# Altium PCB Audio-Streamer-Mainboard.PcbDoc (part 2 of 7) (continued)
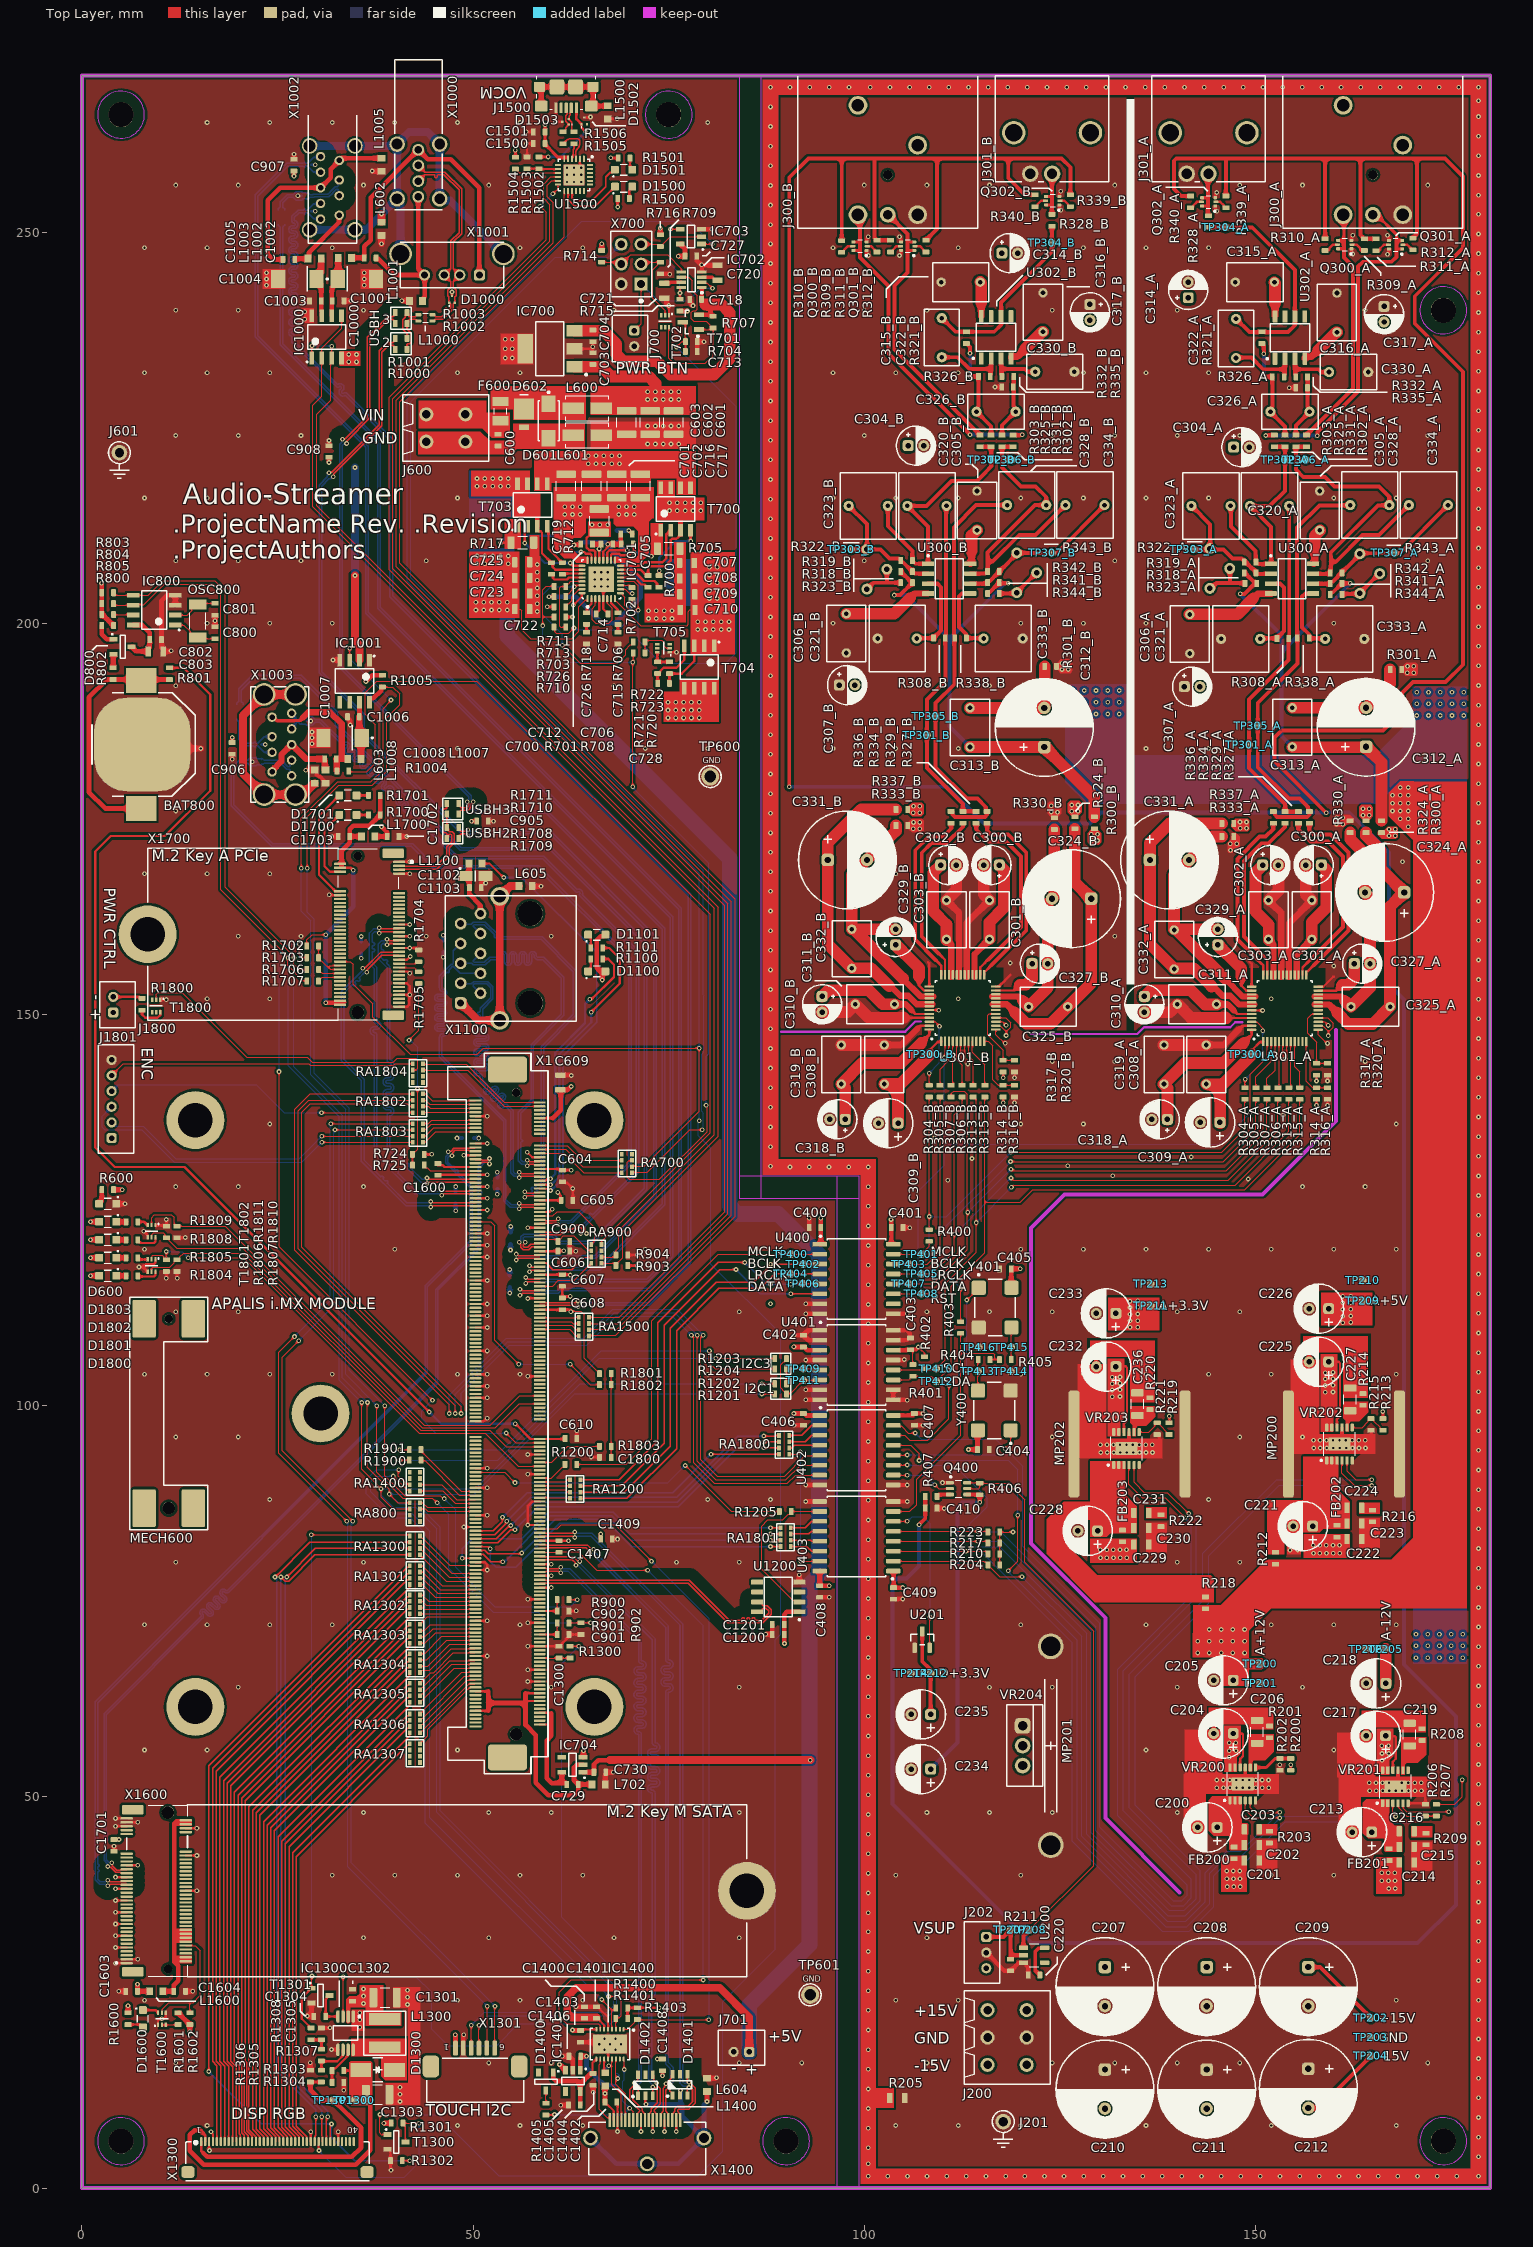
[diagram p0: Top Layer view]
## Footprints (in the part's own frame and the unit in brackets; to place one, negate y for a bottom-side part, rotate by r counter-clockwise, add the part's x,y. Pads: shape width x height; smd on the part's side, far side on the other; paste and mask are expansions set on the pad) (continued)
  rrect25% 3.3x5 smd: BE1(-43.95,0) BE2(43.95,0)
  round 1.1 hole 1.1 unplated: ""(-41,1.1)
  round 7.4 / inner round 0 / far side round 0 hole 4.4 unplated: ""(-37.5,11.1) ""(-37.5,-39.9) ""(0,-23.9) ""(37.5,-39.9) ""(37.5,11.1)
  round 1.6 hole 1.6 unplated: ""(41,1.1)
  silkscreen extent -46.07,-7.65 46.07,5.17, body extent -44.95,-42.9 44.95,14.08, height 8.01
T_Keystone_3000 [mm] "Battery Holder, 12mm (Dia)"
  rect 3.2x3.9 smd: 1(-8.17,0) 1(8.17,0)
  rrect70% 12x12.3 smd paste-11: 2(0,-0.15)
  silkscreen extent -6.63,-6.88 6.63,6.3, body extent -9.47,-6.92 9.47,5.14, height 3.16
T_Laird_35F0121-0SR-10 [mm] "Power supply FB 10A"
  rect 2.77x1.47 smd: 1(-1.79,0) 2(1.79,0)
  silkscreen extent -2.73,-1.6 2.73,1.6, body extent -2.54,-1.53 2.54,1.53, height 3.05
T_LINEAR_LTC2954CTS8-2#PBF [mm]
  rect 0.4x1.22 smd: 1(-0.975,-1.31) 2(-0.325,-1.31) 3(0.325,-1.31) 4(0.975,-1.31) 5(0.975,1.31) 6(0.325,1.31) 7(-0.325,1.31) 8(-0.975,1.31)
  silkscreen extent -1.78,-1.43 1.56,0.48, body extent -1.45,-0.87 1.45,0.87, height 1
T_Littelfuse_0458 [mm] "Fast Fuse"
  rect 1.185x2.05 smd: 1(-1.232,0) 2(1.232,0)
  silkscreen extent -0.4,-0.82 0.4,0.82, body extent -1.59,-0.79 1.59,0.79, height 1.58
T_LITTLEFUSE_SMAJ30CA [mm] "Bidirectional ESD protection"
  rect 2.1x1.8 smd: 1(-2.2,0) 2(2.2,0)
  silkscreen extent -3.77,-1.35 2.55,1.35, body extent -2.25,-1.4 2.25,1.4, height 2.29
T_MC_CC4V-T1A [mm]
  rect 1.3x2.2 smd: 1(-2.1,0) 2(2.1,0)
  silkscreen extent -1.04,-1.02 1.04,1.02, body extent -2.5,-0.95 2.5,0.95, height 2.29
T_Molex_48099-5701 [mm] "Mini PCI-E Latch"
  rrect12% 4.8x3 smd: ""(-12.1,-3.15) ""(-12.1,3.15) ""(12.1,-3.15) ""(12.1,3.15)
  round 1.6 hole 1.6 unplated: ""(-12.1,0)
  round 1.1 hole 1.1 unplated: ""(12.1,0)
  silkscreen extent -14.85,-5 14.85,5, body extent -14.22,-4.31 14.23,4.6, height 6.56
T_MOLEX_52207-0633 [mm] "FFC Connector, 6 pin, 1mm Pitch, Top Contact"
  rrect50% 0.6x1.9 smd: 1(2.5,0) 2(1.5,0) 3(0.5,0) 4(-0.5,0) 5(-1.5,0) 6(-2.5,0)
  rrect50% 2.1x2.8 smd: ""(-5.65,2.35) ""(5.65,2.35)
  silkscreen extent -6.2,1.3 6.2,6.9, body extent -6.15,-0.7 6.15,6.9, height 2.7
T_Murata_DLW21SN900SQ2 [mm] "Common Mode Choke"
  rrect50% 0.75x0.42 smd: 1(-0.9,0.4) 2(-0.9,-0.4) 3(0.9,-0.4) 4(0.9,0.4)
  silkscreen extent -0.34,-0.55 0.34,0.55, body extent -1,-0.6 1,0.6, height 1.2
T_Omron_XF2M-4015-1A-MIRROR [mm] "DVI FFC Connector 0.5mm pitch"
  rrect50% 0.3x1.1 smd: 1(9.75,-1.95) 2(9.25,-1.95) 3(8.75,-1.95) 4(8.25,-1.95) 5(7.75,-1.95) 6(7.25,-1.95) 7(6.75,-1.95) 8(6.25,-1.95) 9(5.75,-1.95) 10(5.25,-1.95) 11(4.75,-1.95) 12(4.25,-1.95) 13(3.75,-1.95) 14(3.25,-1.95) 15(2.75,-1.95) 16(2.25,-1.95) 17(1.75,-1.95) 18(1.25,-1.95) 19(0.75,-1.95) 20(0.25,-1.95) 21(-0.25,-1.95) 22(-0.75,-1.95) 23(-1.25,-1.95) 24(-1.75,-1.95) 25(-2.25,-1.95) 26(-2.75,-1.95) 27(-3.25,-1.95) 28(-3.75,-1.95) 29(-4.25,-1.95) 30(-4.75,-1.95) 31(-5.25,-1.95) 32(-5.75,-1.95) 33(-6.25,-1.95) 34(-6.75,-1.95) 35(-7.25,-1.95) 36(-7.75,-1.95) 37(-8.25,-1.95) 38(-8.75,-1.95) 39(-9.25,-1.95) 40(-9.75,-1.95)
  rrect50% 1.7x1.5 smd: ""(-11.45,1.95) ""(11.45,1.95)
  silkscreen extent -11.75,-1.95 11.75,3.06, body extent -12.05,-2.95 12.05,2.95, height 2.02
T_ON_NCV4264-2ST50T3G [mm] "SO4"
  rect 2x1.5 smd: 1(-3.15,2.3) 2(-3.15,0) 3(-3.15,-2.3)
  rect 2x3.8 smd: 4(3.15,0)
  silkscreen extent -4.77,-3.43 1.8,3.43, body extent -1.85,-3.35 1.85,3.35, height 1.75
T_Resistor_Array_X4 [mm] "Resistor Array 0.8mm"
  rect 0.5x0.6 smd: 1(0,0) 2(0,-0.8) 3(0,-1.6) 4(0,-2.4) 5(1.3,0) 6(1.3,-0.8) 7(1.3,-1.6) 8(1.3,-2.4)
  silkscreen extent -0.47,-2.92 1.77,0.52, body extent -0.47,-2.92 1.77,0.52, height 0.55
T_Samtec_SSW-103-01-G-D [mm] "Receptacle Female Socket  2x3 Pins, 2.54 mm pitch"
  rect 1.65x1.65 hole 1: 1(0,0)
  round 1.65 hole 1: 2(0,2.54) 3(2.54,0) 4(2.54,2.54) 5(5.08,0) 6(5.08,2.54)
  silkscreen extent -2.26,-1.33 6.73,3.87, body extent -1.52,-1.21 6.6,3.75, height 8.52
T_SOT95P230X110-3N [mm]
  rect 1x0.6 smd: 1(-1.15,0.95) 2(-1.15,-0.95) 3(1.15,0)
  silkscreen extent -1.4,-1.45 0.33,1.67, body extent -0.7,-1.5 0.7,1.5, height 1.12
T_SOT95P285X90-6N [mm]
  rect 1.05x0.5 smd: 1(-1.35,0.95) 2(-1.35,0) 3(-1.35,-0.95) 4(1.35,-0.95) 5(1.35,0) 6(1.35,0.95)
  silkscreen extent -1.57,-1.5 0.5,1.7, body extent -0.87,-1.54 0.87,1.54, height 1.45
T_TI_TPD2EUSB30DRTR [mm] "2 CHANNEL PROTECTION SOLUTION FOR SUPER-SPEED"
  rect 0.3x0.3 smd: 1(-0.425,0.35) 2(-0.425,-0.35) 3(0.425,0)
  silkscreen extent -0.88,0.3 -0.78,0.4, body extent -0.43,-0.5 0.43,0.5, height 0.5
"T_TP-THT - EYE" [mm] "Testpin TH"
  round 2.3 hole 1.5: 1(0,0)
  silkscreen extent -1.4,-1.4 1.4,1.4, body extent -1.59,-1.59 1.59,1.59, height 8.14
T_TSOP65P490X110-8N [mm] "TSOP, 8-Leads, Body 3.1x3.1mm (max), Pitch 0.65mm, IPC Medium Density"
  oval 1.6x0.45 smd: 1(-2.125,0.975) 2(-2.125,0.325) 3(-2.125,-0.325) 4(-2.125,-0.975) 5(2.125,-0.975) 6(2.125,-0.325) 7(2.125,0.325) 8(2.125,0.975)
  silkscreen extent -2.25,-1.55 0.92,1.88, body extent -2.18,-1.55 2.18,1.55, height 1.1
T_VISHAY_SS3P3 [mm] "Schottky Barrier Rectifiers. 2-Leads, Body 3.7x1.88mm"
  rect 2.67x2.54 smd: 1(-0.8,0)
  rect 0.762x1.27 smd: 2(1.551,0)
  silkscreen extent -2.63,-0.53 -2.63,0.52, body extent -2,-1.09 2,1.09, height 1.15
TO220-3 [mm]
  rrect50% 2x2 hole 1.2: 1(-2.54,0)
  round 2 hole 1.2: 2(0,0) 3(2.54,0)
  silkscreen extent -5.2,-2 5.2,2.6, body extent -5.94,-1.75 5.94,2.65, height 19.11
TP [mm]
  round 1 smd: 1(0,0)
? [mm] "M.2 M Key"
  rrect25% 1.2x2.75 smd: 0(-10.35,3) 0(10.35,3)
  rrect50% 0.3x1.55 smd: 1(-9.25,3.775) 2(-9,-3.775) 3(-8.75,3.775) 4(-8.5,-3.775) 5(-8.25,3.775) 6(-8,-3.775) 7(-7.75,3.775) 8(-7.5,-3.775) 9(-7.25,3.775) 10(-7,-3.775) 11(-6.75,3.775) 12(-6.5,-3.775) 13(-6.25,3.775) 14(-6,-3.775) 15(-5.75,3.775) 16(-5.5,-3.775) 17(-5.25,3.775) 18(-5,-3.775) 19(-4.75,3.775) 20(-4.5,-3.775) 21(-4.25,3.775) 22(-4,-3.775) 23(-3.75,3.775) 24(-3.5,-3.775) 25(-3.25,3.775) 26(-3,-3.775) 27(-2.75,3.775) 28(-2.5,-3.775) 29(-2.25,3.775) 30(-2,-3.775) 31(-1.75,3.775) 32(-1.5,-3.775) 33(-1.25,3.775) 34(-1,-3.775) 35(-0.75,3.775) 36(-0.5,-3.775) 37(-0.25,3.775) 38(0,-3.775) 39(0.25,3.775) 40(0.5,-3.775) 41(0.75,3.775) 42(1,-3.775) 43(1.25,3.775) 44(1.5,-3.775) 45(1.75,3.775) 46(2,-3.775) 47(2.25,3.775) 48(2.5,-3.775) 49(2.75,3.775) 50(3,-3.775) 51(3.25,3.775) 52(3.5,-3.775) 53(3.75,3.775) 54(4,-3.775) 55(4.25,3.775) 56(4.5,-3.775) 57(4.75,3.775) 58(5,-3.775) 67(7.25,3.775) 68(7.5,-3.775) 69(7.75,3.775) 70(8,-3.775) 71(8.25,3.775) 72(8.5,-3.775) 73(8.75,3.775) 74(9,-3.775) 75(9.25,3.775)
  round 7.4 / inner round 0 / far side round 0 hole 4.4 unplated: 1(0,-75.5)
  round 1.1 hole 1.1 unplated: ""(-10,-1.5)
  round 1.6 hole 1.6 unplated: ""(10,-1.5)
  silkscreen extent -11,-75.5 11,5.17, body extent -10.95,-78.5 10.95,4.35, height 3.09

## Part data
BAT800: library part BAT-Keystone-3000, "Battery Holder", Manufacturer Name=Keystone, Manufacturer Part No.=3000
C200 C204 C205 C213 C217 C218 C221 C225 C226 C228 C232 C233 C234 C235: library part "Capacitor Electrolytic", "Elektrolytic Capacitor", Manufacturer Part No.=32SEPF22M, Voltage=32V
C201 C202 C203 C206 C214 C215 C216 C219 C220 C222 C223 C224 C227 C229 C230 C231 C236: library part "Capacitor Ceramic", "Ceramic Capacitor", Voltage=25V
C207 C208 C209 C210 C211 C212 C312_A C312_B C324_A C324_B C331_A C331_B: library part "Capacitor Electrolytic", "Elektrolytic Capacitor", Manufacturer Part No.=EEU-FR1H471, Voltage=50V
C300_A C300_B C302_A C302_B C304_A C304_B C307_A C307_B C310_A C310_B C314_A C314_B C317_A C317_B C318_A C318_B C327_A C327_B C329_A C329_B: library part "Capacitor Electrolytic", "Elektrolytic Capacitor", Manufacturer Part No.=EEU-FR1H100, Voltage=50V
C301_A C301_B C303_A C303_B C305_A C305_B C306_A C306_B C308_A C308_B C311_A C311_B C313_A C313_B C315_A C315_B C316_A C316_B C319_A C319_B C325_A C325_B C332_A C332_B: library part "Capacitor Ceramic", "Ceramic Capacitor", Manufacturer Part No.=MKP2D031001F00KF00, Voltage=100V
C309_A C309_B: library part "Capacitor Electrolytic", "Elektrolytic Capacitor", Supplier Part Number 1=667-ECA-2VM010, Voltage=350V, Supplier 1=Mouser
C320_A C320_B C328_A C328_B: library part "Capacitor Ceramic", "Ceramic Capacitor", Manufacturer Part No.=FKP2C023301L00HSSD, Voltage=63V
C321_A C321_B C333_A C333_B: library part "Capacitor Ceramic", "Ceramic Capacitor", Manufacturer Part No.=FKP2D022201L00HF00, Voltage=100V
C322_A C322_B C330_A C330_B: library part "Capacitor Ceramic", "Ceramic Capacitor", Manufacturer Part No.=FKP2D011501D00HSSD, Voltage=100V
C323_A C323_B C334_A C334_B: library part "Capacitor Ceramic", "Ceramic Capacitor", Manufacturer Part No.=FKP2D021501J00HSSD, Voltage=100V
C326_A C326_B: library part "Capacitor Ceramic", "Ceramic Capacitor", Manufacturer Part No.=FKP2D012201D00HSSD, Voltage=100V
C400 C401 C402 C403 C404 C405 C406 C407 C408 C409 C410 C1200 C1201: library part "Capacitor Ceramic", "Ceramic Capacitor"
C600 C703: library part C-X7R-100nF-50V-20%-0603, "Capacitor Ceramic X7R 100nF 50V 20% 0603", Rating=50V, Tolerance=20%, Type=X7R
C601 C602 C603 C701 C702 C712 C716 C717: library part C-X5R-10uF-50V-20%-1210, "Capacitor Ceramic X5R 10uF 50V 20% 1210", Rating=50V, Tolerance=20%, Type=X5R
C604 C605 C606 C607 C608: library part C-X5R-4.7uF-10V-10%-0603, "Capacitor Ceramic X5R 4.7uF 10V 10% 0603", Rating=10V, Tolerance=10%, Type=X5R
C609 C803: library part C-X5R-22uF-10V-20%-0805, "Capacitor Ceramic X5R 22uF 10V 20% 0805", Rating=10V, Tolerance=20%, Type=X5R
C610 C705 C718 C719 C727 C802 C1000 C1003 C1006 C1103 C1401 C1402 C1403 C1404 C1501 C1800: library part C-X7R-100nF-16V-10%-0402, "Capacitor Ceramic X7R 100nF 16V 10% 0603", Rating=16V, Tolerance=10%, Type=X7R
C700 C704 C711 C1400 C1603 C1604 C1702 C1703: library part C-X5R-10uF-10V-20%-0603, "Capacitor Ceramic X5R 10uF 10V 20% 0603", Rating=10V, Tolerance=20%, Type=X5R
C706 C713: library part C-X5R-1uF-16V-20%-0603, "Capacitor Ceramic X5R 1uF 16V 20% 0603", Rating=16V, Tolerance=20%, Type=X5R
C707 C708 C709 C710 C722 C723 C724 C725: library part C-X5R-47uF-10V-20%-0805, "Capacitor Ceramic X5R 47uF 10V 20% 0805", Rating=10V, Tolerance=20%, Type=X5R
C714 C900 C1002 C1005 C1008 C1300 C1407 C1600: library part C-X7R-1nF-50V-10%-0402, "Capacitor Ceramic X7R 1nF 50V 10% 0603", Rating=50V, Tolerance=10%, Type=X7R
C715: library part C-X7R-470pF-50V-10%-0402, "Capacitor Ceramic X7R 470pF 50V 10% 0603", Rating=50V, Tolerance=10%, Type=X7R
C720 C721: library part C-X7R-330nF-16V-10%-0805, "Capacitor Ceramic X7R 330nF 16V 10% 0805", Rating=16V, Tolerance=10%, Type=X7R
C726: library part C-X7R-680pF-50V-10%-0402, "Capacitor Ceramic X7R 680pF 50V 10% 0603", Rating=50V, Tolerance=10%, Type=X7R
C728: library part C-X7R-10nF-25V-10%-0402, "Capacitor Ceramic X7R 10nF 25V 10% 0603", Rating=25V, Tolerance=10%, Type=X7R
C729 C730 C1405 C1406 C1500: library part C-X5R-2.2uF-6.3V-20%-0603, "Capacitor Ceramic X5R 2.2uF 6.3V 20% 0603", Rating=6.3V, Tolerance=20%, Type=X5R
C800 C801: library part C-NPO-27pF-50V-5%-0603, "Capacitor Ceramic NPO 27pF 50V 5% 0603", Rating=50V, Tolerance=5%, Type=NPO
C901 C902: library part C-X7R-100pF-50V-10%-0402, "Capacitor Ceramic X7R 100pF 50V 10% 0603", Rating=50V, Tolerance=10%, Type=X7R
C903 C904 C905 C906 C907 C908 C1100 C1101 C1408 C1409 C1601 C1602 C1700 C1701: library part C-X7R-10nF-25V-10%-0603, "Capacitor Ceramic X7R 10nF 25V 10% 0603", Rating=25V, Tolerance=10%, Type=X7R
C1001 C1004 C1007: library part C-TA-100uF-10V-10%-6032, "Capacitor TA 100uF 10V 10% 6032", Rating=10V, Tolerance=10%, Type=TA
C1102: library part C-TA-47uF-6.3V-20%-3216, "Capacitor TA 47uF 6.3V 20% 3216", Rating=6.3V, Tolerance=20%, Type=TA
C1301 C1303: library part C-X5R-10uF-50V-10%-1210, "Capacitor Ceramic X5R 10uF 50V 10% 1210", Manufacturer=Generic, Rating=50V, Tolerance=10%, Type=X5R
C1302: library part C-X7R-100nF-16V-10%-0603, "Capacitor Ceramic X7R 100nF 16V 10% 0603", Manufacturer=Generic, Rating=16V, Tolerance=10%, Type=X7R
C1304 C1305: library part C-X7R-100nF-16V-10%-0603, "Capacitor Ceramic X7R 100nF 16V 10% 0603", Rating=16V, Tolerance=10%, Type=X7R
D600 D1100 D1101 D1500 D1501 D1600 D1700 D1701 D1800 D1802: library part "LED green", "LED green", Manufacturer Part No.=LGM67KG1J224Z
D601: "Bidirectional ESD protection", Manufacturer Name=Littelfuse, Manufacturer Part No.=SMAJ30CA
D602: library part D-Vishay-SS3P3-E3/84A-Schottky, "SS3P3-E3/84A Schottky Diode", Manufacturer Name=Vishay, Manufacturer Part No.=SS3P3-E3/84A
D800 D1400: library part D-Philips-BAT54C-Schottky-30V-200mA, "BAT54 Schottky Diode", Manufacturer=Philips
  D800: Manufacturer Part No.=BAT54C
  D1400: Manufacturer Part Number=BAT54C
D1000 D1001 D1002 D1003 D1004 D1005 D1006 D1502 D1503: library part D-TI-TPD2EUSB30DRTR, "2 Channel Protection for Super Speed USB3.0", Manufacturer Name=TI, Manufacturer Part No.=TPD2EUSB30DRTR
D1300: library part D-Fairchild-SS14, "Schottky Diode 40V 1A", Manufacturer Name=Fairdhild, Manufacturer Part No.=SS14
D1401 D1402: library part D-Semtech-RClamp0504S, "TVS Array low cap", Manufacturer Name=Semtech, Manufacturer Part No.=RCLAMP0504S
D1801 D1803: library part "LED red", "LED red", Manufacturer Part No.="LS M67K-J2L1-1-Z"
F600: library part F-Littelfuse-0458007, "Fuse 7A Fast", Manufacturer Name=Littelfuse, Manufacturer Part No.=0458007
FB200 FB201 FB202 FB203: library part "Ferrite Bead", "Ferrite Bead"
IC700: library part IC-ON-NCV4264-2ST50T3G, "L5150BNTR LDO Regulator", Manufacturer Name=STMicroelectronics, Manufacturer Part No.=L5150BNTR
IC701: library part IC-TI-TPS51120, "Power Supply Controller", Manufacturer Name="Texas Instruments", Manufacturer Part No.=TPS51120
IC702: library part IC-LIN-LTC2954CTS8-2#PBF, "Push Button On/Off Controller", Manufacturer Name=Linear, Manufacturer Part No.=LTC2954CTS8-2#TRMPBF
IC703: library part IC-FAR-NC7SZ126M5X, "NC7SZ126M5X  Buffer Three-State Output", Manufacturer Name="Fairchild Semiconductor", Manufacturer Part No.=NC7SZ126M5X
IC704 IC1401: library part IC-ON-NCP511SN33T1G, "NCP511SN33T1G LDO Regulator", Manufacturer Name="ON Semiconductor", Manufacturer Part No.=NCP511SN33T1G
IC800: library part IC-ST-M41T0M6, "RTC M41T0M6", Manufacturer Name=ST, Manufacturer Part No.=M41T0M6
IC1000: library part IC-TI-TPS2066CD, "1A Dual High Side Switch (Current Limiting (Fixed), Over Temperature, Reverse Current, UVLO)", Manufacturer Name="Texas Instruments", Manufacturer Part No.=TPS2066CD
IC1001: library part IC-TI-TPS2052BD, "Dual High Side Switch With OC_DET 500mA/CH", Manufacturer Name="Texas Instruments", Manufacturer Part No.=TPS2052BD
IC1300: library part IC-DiodesInc-PAM2841GR, "Diodes Inc, PAM2841GR, DC/DC step-up LED driver", Manufacturer="Diodes Incorporated", Manufacturer Part No.=PAM2841GR, Package=DFN2x2-8
IC1400: "HDMI ESD protection, level shifter and backdrive protection", Manufacturer Name=STMicroelectronics
J200: "Screw Terminal, 3 Position", Manufacturer Part No.=1861946, System=Connector
J202: library part "Connector 3x1P", "Connector 3x1P", Manufacturer Part No.=B3B-PH-K-S, System=Connector
J300_A J300_B: library part "Connector XLR", "XLR Connector Male, Panel Mount", Manufacturer Part No.=NC3MBH, System=Connector
J301_A J301_B: library part "Connector RCA", "RCA Connector", System=Connector
J600: "Screw Terminal, 2 Position, 5mm Spacing", System=Connector
J700 J701 J1800: library part "Connector 2x1P", "Connector 2x1P", Manufacturer Part No.=B2B-PH-K-S
  J1800: System=Connector
J1500: library part "Connector USB", "USB Micro Connector", Manufacturer Part No.=1981568-1
J1801: library part "Connector 6x1P", "Connector 6x1P", Manufacturer Part No.=B6B-PHK-S, System=Connector
L600 L601: library part L-Laird-35F0121-0SR-10-10A-25%, "Power Supply FB 10A", Rating=10A, Tolerance=25%
L602 L603 L604 L605 L1600 L1700: library part L-33R@100MHz-3A-25%-0603, "33R@100MHz 3A EMI FILTER", Rating=3A, Tolerance=25%
L700: library part L-Bourns-SRP1038A-4R7M, "Inductor 4.7uH 10A 20% 15.5 mOhm -40°C to125°C", DC Resistance="15.5 mOhm", Manufacturer Name=Bourns, Manufacturer Part No.=SRP1038A-4R7M, Rating=10A, Tolerance=20%
L701: library part L-Wurth-744771008-8.2uH-6.25A-20%, "Inductance 8.2uH 6.25A 20%", Manufacturer Name=Wurth, Manufacturer Part No.=744771008, Rating=6.25A, Tolerance=20%
L702 L1001 L1002 L1003 L1005 L1007 L1008 L1100 L1500: library part L-220R@100MHz-2A-25%-0603, "220R@100MHz 2A EMI FILTER", Rating=2A, Tolerance=25%
L1000 L1004 L1006: library part L-Murata-DLW21SN900SQ2-90R@100MHz-330mA-25%, "Common Mode Choke High Speed 90R 330mA", Manufacturer Name=Murata, Manufacturer Part No.=DLW21SN900SQ2, Rating=330mA, Tolerance=25%
L1300: library part L-Bourns-SRN5040-220M, "Inductor shielded 22uH 1.6A", Manufacturer=Generic, Rating=1.6A, Tolerance=25%
L1400: library part L-120R@100MHz-2A-25%-0603, "120R@100MHz 2A EMI FILTER", Rating=2A, Tolerance=25%
MECH600: library part MECH-Molex-48099-5701, Manufacturer Name=Molex, Manufacturer Part No.=48099-5701
MP200 MP202: library part Heatsink, "Heatsink", Manufacturer Part No.=DA-T263-201E
MP201: library part Heatsink, "Heatsink", Manufacturer Part No.=FA-T220-38E
OSC800: library part OSC-MC-CC4V-T1A-32.768KHz-30ppm-5x1.9mm, "Quartz 32.768kHz", Manufacturer Name="Micro Crystal", Tolerance=30ppm, Manufacturer Part No.=CC4V-T1A
Q300_A Q300_B Q301_A Q301_B Q302_A Q302_B: library part "Transistor Bipolar Dual", "Transistor Bipolar Dual", Manufacturer Part No.=PMBT3904VS,115
Q400: library part "Transistor N/PMOS Dual", "Transistor Dual, NMOS & PMOS", Manufacturer Part No.=SQ1539EH-T1_GE3
R200 R201 R202 R203 R204 R205 R206 R207 R208 R209 R210 R211 R212 R213 R214 R215 R216 R217 R218 R219 R220 R221 R222 R223 R300_A R300_B R301_A R301_B R304_A R304_B R305_A R305_B R306_A R306_B R307_A R307_B R309_A R309_B R310_A R310_B R311_A R311_B R312_A R312_B R313_A R313_B R314_A R314_B R315_A R315_B R316_A R316_B R317_A R317_B R320_A R320_B R324_A R324_B R330_A R330_B R333_A R333_B R337_A R337_B R339_A R339_B R340_A R340_B R400 R401 R402 R403 R404 R405 R406 R407 R1201 R1202 R1203 R1204 R1205 R1502 R1503 R1504 R1800: library part Resistor, "Resistor"
R302_A R302_B R303_A R303_B R328_A R328_B: library part Resistor, "Resistor Thin Film", Manufacturer Part No.=TNPW060347R0BEEA
R308_A R308_B R327_A R327_B R329_A R329_B R334_A R334_B R336_A R336_B R338_A R338_B: library part Resistor, "Resistor Thin Film", Manufacturer Part No.=TNPW060322R0BEEA
R318_A R318_B R319_A R319_B R341_A R341_B R342_A R342_B: library part Resistor, "Resistor Thin Film", Manufacturer Part No.=TNPW0603270RBEEA
R321_A R321_B R325_A R325_B R331_A R331_B R335_A R335_B: library part Resistor, "Resistor Thin Film", Manufacturer Part No.=TNPW0603340RBEEA
R322_A R322_B R343_A R343_B: library part "Resistor Trimmer", "Trimmer (resistive)"
R323_A R323_B R344_A R344_B: library part Resistor, "Resistor Thin Film"
R326_A R326_B R332_A R332_B: library part Resistor, "Resistor Thin Film", Manufacturer Part No.=TNPW0603200RBEEA
R600 R1100 R1101 R1500 R1501 R1600 R1700 R1701 R1804 R1805 R1808 R1809: library part R-560R-63mW-5%-0402, "Resistor 560 ohm 63mW 5% 0603", Rating=63mW, Tolerance=5%
R700 R701 R712: library part R-4.7R-63mW-5%-0402, "Resistor 4.7 ohm 63mW 5% 0603", Rating=63mW, Tolerance=5%
R702 R707 R709 R713 R716 R720 R721 R724 R726 R805 R902 R903 R904 R1005 R1602 R1801 R1806 R1807 R1810 R1811: library part R-100KR-63mW-5%-0402, "Resistor 100 Kohm 63mW 5% 0603", Rating=63mW, Tolerance=5%
R703 R1004 R1706 R1707: library part R-0R-63mW-1%-0402, "Resistor 0 ohm 63mW 1% 0603", Rating=63mW, Tolerance=1%
R704 R714 R715: library part R-10KR-63mW-5%-0402, "Resistor 10 Kohm 63mW 5% 0603", Rating=63mW, Tolerance=5%
R705: library part R-12mR-250mW-1%-1206, "Resistor 12 mohm 250mW 1% 1206", Rating=250mW, Tolerance=1%
R706 R718 R1405: library part R-24KR-63mW-1%-0402, "Resistor 24 Kohm 63mW 1% 0603", Rating=63mW, Tolerance=1%
R708: library part R-3.3KR-63mW-1%-0402, "Resistor 3.3 Kohm 63mW 1% 0603", Rating=63mW, Tolerance=1%
R710 R711 R722 R723 R1000 R1001 R1002 R1003 R1703 R1704 R1705 R1708 R1709 R1710 R1711 R1802 R1803: library part R-0R-63mW-1%-0603, "Resistor 0 ohm 63mW 1% 0603", Rating=63mW, Tolerance=1%
R717: library part R-15mR-250mW-1%-1206, "Resistor 15 mohm 250mW 1% 1206", Rating=250mW, Tolerance=1%
R719: library part R-3.6KR-63mW-1%-0402, "Resistor 3.6 Kohm 63mW 1% 0603", Rating=63mW, Tolerance=1%
R725 R900 R901 R1200 R1300 R1505 R1506 R1900 R1901: library part R-22R-63mW-5%-0402, "Resistor 22 ohm 63mW 5% 0603", Rating=63mW, Tolerance=5%
R800: library part R-470R-63mW-5%-0402, "Resistor 470 ohm 63mW 5% 0603", Rating=63mW, Tolerance=5%
R801 R802: library part R-10R-63mW-5%-0603, "Resistor 10 ohm 63mW 5% 0603", Rating=63mW, Tolerance=5%
R803 R804: library part R-1.8KR-63mW-5%-0402, "Resistor 1.8 Kohm 63mW 5% 0603", Rating=63mW, Tolerance=5%
R1301 R1308: library part R-10KR-63mW-1%-0603, "Resistor 10 Kohm 63mW 1% 0603", Manufacturer=Generic, Rating=63mW, Tolerance=1%
R1302: library part R-100KR-63mW-5%-0603, "Resistor 100 Kohm 63mW 5% 0603", Manufacturer=Generic, Rating=63mW, Tolerance=5%
R1303: library part R-910KR-63mW-1%-0603, "Resistor 910 Kohm 63mW 1% 0603", Manufacturer=Generic, Rating=63mW, Tolerance=1%
R1304: library part R-59KR-63mW-1%-0603, "Resistor 59 Kohm 63mW 1% 0603", Manufacturer=Generic, Rating=63mW, Tolerance=1%
R1305: library part R-5KR-63mW-1%-0603, "Resistor 5 Kohm 63mW 1% 0603", Manufacturer=Generic, Rating=63mW, Tolerance=1%
R1306: library part R-3.3R-63mW-1%-0603, "Resistor 3.3 ohm 63mW 1% 0603", Manufacturer=Generic, Rating=63mW, Tolerance=1%
R1307: library part R-90KR-63mW-1%-0603, "Resistor 90 Kohm 63mW 1% 0603", Manufacturer=Generic, Rating=63mW, Tolerance=1%
R1400 R1401: library part R-10KR-63mW-1%-0603, "Resistor 10 Kohm 63mW 1% 0603", Rating=63mW, Tolerance=1%
R1402 R1404: library part R-1.8KR-63mW-5%-0603, "Resistor 1.8 Kohm 63mW 5% 0603", Rating=63mW, Tolerance=5%
R1403 R1601: library part R-470KR-63mW-5%-0402, "Resistor 470 Kohm 63mW 5% 0603", Rating=63mW, Tolerance=5%
R1702: library part R-47KR-63mW-5%-0603, "Resistor 47 Kohm 63mW 5% 0603", Rating=63mW, Tolerance=5%
RA700 RA800 RA900 RA1200 RA1300 RA1301 RA1302 RA1303 RA1304 RA1305 RA1306 RA1307 RA1400 RA1500 RA1800 RA1801 RA1802 RA1803 RA1804: library part RA-22R-63mW-5%-1206-div, "Resistor Array 22 R 63mW 5% 1206", Power Dissipation=63mW, Tolerance=5%
T700 T703: library part T-Fairchild-FDS6982AS-N, "N-Channel PowerTrench SyncFET", Manufacturer Name=Fairchild, Manufacturer Part No.=FDS6910DKR
T701: library part T-IR-IRLML6401PbF-SOT-23, "p-channel MOSFET, IRLML6401PbF", Manufacturer Name="International Rectifier", Manufacturer Part No.=IRLML6401PbF
T702 T705 T1600 T1800 T1801 T1802: "Dual N-Channel 20V (D-S)  MOSFET", Manufacturer Name=Vishay, Manufacturer Part No.=SI-1024-X
T704: library part T-Diodes-DMP2022LSS-13-8-SOIC, "p-channel MOSFET, DMP2022LSS-13", Manufacturer Name=DIODES, Manufacturer Part No.=DMP2022LSS-13
T1300 T1301: library part T-Vishay-SI2312CDS, "N-Channel 20V (D-S)  MOSFET", Manufacturer=Vishay, Manufacturer Part No.=SI2312CDS
TP600 TP601: library part TP-Keystone-5011, "Testpin Eye TH", Manufacturere Name=Keystone, Manufacturer Part No.=5011
U200: library part "Voltage Supervisor 5V", "Voltage Supervisor, Threshold 5V", Manufacturer Part No.=BD5250G-TR
U201: library part "Voltage Supervisor", "Voltage Supervisor, Threshold 2.94V", Manufacturer Part No.=TLV810SDBZR
U300_A U300_B: "SoundPlus Operational Amplifier", Manufacturer Part No.=OPA1612AIDR
U301_A U301_B: "32-Bit 2ch Audio DAC", Manufacturer Part No.=AK4493EQ
U302_A U302_B: "SoundPlus Operational Amplifier", Manufacturer Part No.=OPA1611AIDR
U400 U402 U403: "Unidirectional digital isolator", Manufacturer Part No.=Si8660BB-B-IU
U401: "Bidirectional digital isolator", Manufacturer Part No.=MAX14933
U1200: "LVDS Transmitter", Manufacturer Part No.=MAX9110ESA+
U1500: "USB to UART Bridge", Manufacturer Part No.=CP2105-F01-GMR
VR200 VR202 VR203: "Linear Regulator, positive Rail, Low Noise, High PSRR", Manufacturer Part No.=LT3045EMSE#PBF
VR201: "Linear Regulator, negative Rail Low Noise, High PSRR", Manufacturer Part No.=LT3094EMSE#PBF
VR204: "Linear Voltage Regulator, positive Rail", Manufacturer Part No.=LD1086V33-DG
X1: "MXM3 Connector", Manufacturer Name=JAE, Manufacturer Part No.=MM70-314-310B1, No. of ways=314
X700: library part CON-Samtec-SSW-103-01-G-D, "Receptacle Female Socket, 2x3 Pins, 2.54mm pitch", Manufacturer Name=Samtec, Manufacturer Part No.=SSW-103-01-G-D, No. of ways=2x3, Pitch=2.54mm
X1000: "USB Type A Connector", Manufacturer Name=FCI, Manufacturer Part No.=73725-0110BLF, No. of ways=4, System=Connector
X1001: "USB Type A Connector Vertical", Manufacturer Name=TE, Manufacturer Part No.=1734366-3, System=Connector
X1002: library part CON-Amphenol-GSB4116341HR, "USB 3.1, Type A, sideways", Manufacturer Name=Amphenol, Manufacturer Part No.=GSB4116341HR, System=Connector
X1003: library part CON-Amphenol-GSB412137CHR, "USB 3.1, Type A, vertical", Manufacturer Name=Amphenol, Manufacturer Part No.=GSB412137CHR, System=Connector
X1100: library part CON-TE-5-2301995-1, "Vertical 10/100/1G Mag Jack", Manufacturer Part No.=5-2301995-1
X1300: library part CON-Omron-XF2M-4015-1A-40-0.5mm, "RGB Connector", Manufacturer Name=Omron, Manufacturer Part No.=XF2M-4015-1A, No. of ways=40, Pitch=0.5mm, System=Connector
X1301: library part CON-Molex-52207-0633, "1mm Pitch FFC/FPC Connector", Manufacturer Name=Molex, Manufacturer Part No.=52207-0633, No. of ways=8, Pitch=0.5mm, System=Connector
X1400: library part CON-Molex-0476591001, "HDMI Connector Vertical", Manufacturer=Molex, Manufacturer Part No.=0476591001, System=Connector
X1600: library part "Connector M.2 Key M", "Connector M.2 Key M", Manufacturer Part No.=1-2199119-5
X1700: library part "Connector M.2 Key A", "Connector M.2 Key A", Manufacturer Part No.=2199119-8
Y400: library part "Oscillator Crystek", "HCMOS Oscillator", Frequency=22.5792MHz, Manufacturer Part No.=C3391-22.5792
Y401: library part "Oscillator Crystek", "HCMOS Oscillator", Frequency=24.5760MHz, Manufacturer Part No.=C3391-24.576

## Free pads (board coordinates)
  round 3.2 hole 3.2 unplated mask+1.5: ""(5,6) ""(5,265) ""(75,265) ""(90,6) ""(174,6) ""(174,240)

## Via types
v1: diameter 0.6, hole 0.3, Top Layer to Bottom Layer, tented both sides, 1281 vias
v2: diameter 0.6, hole 0.3, Top Layer to Bottom Layer, 336 vias